# KiCad board PCB, COMM PANEL.kicad_pcb
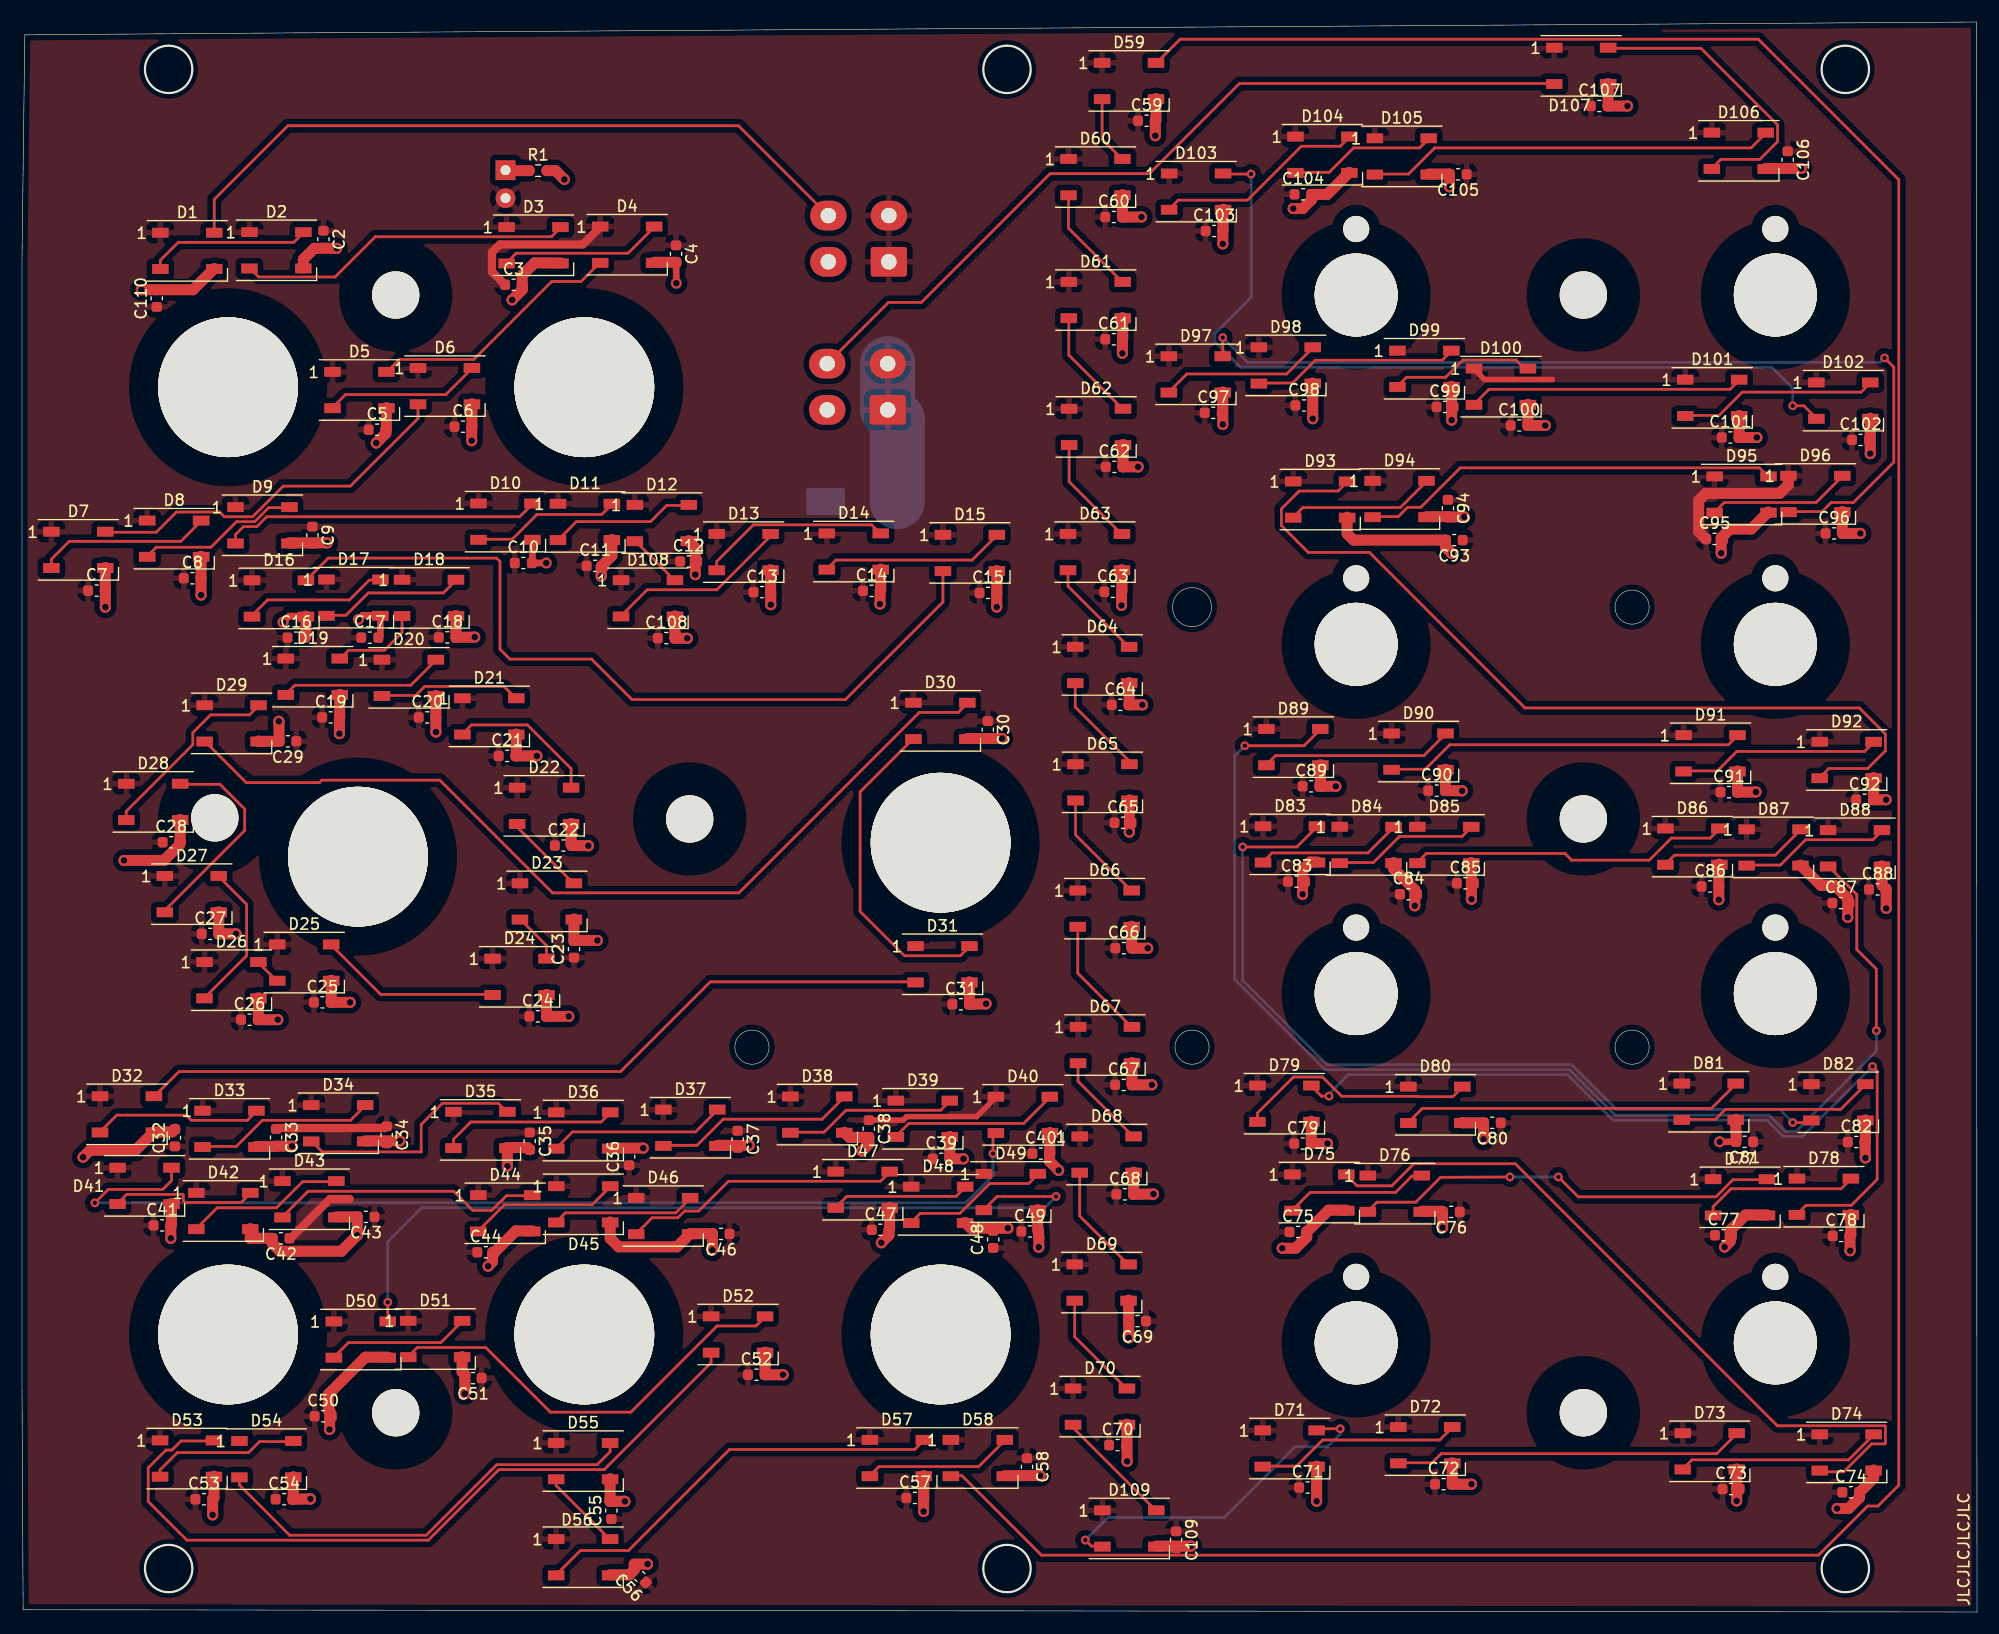
[diagram p0: board, top side]
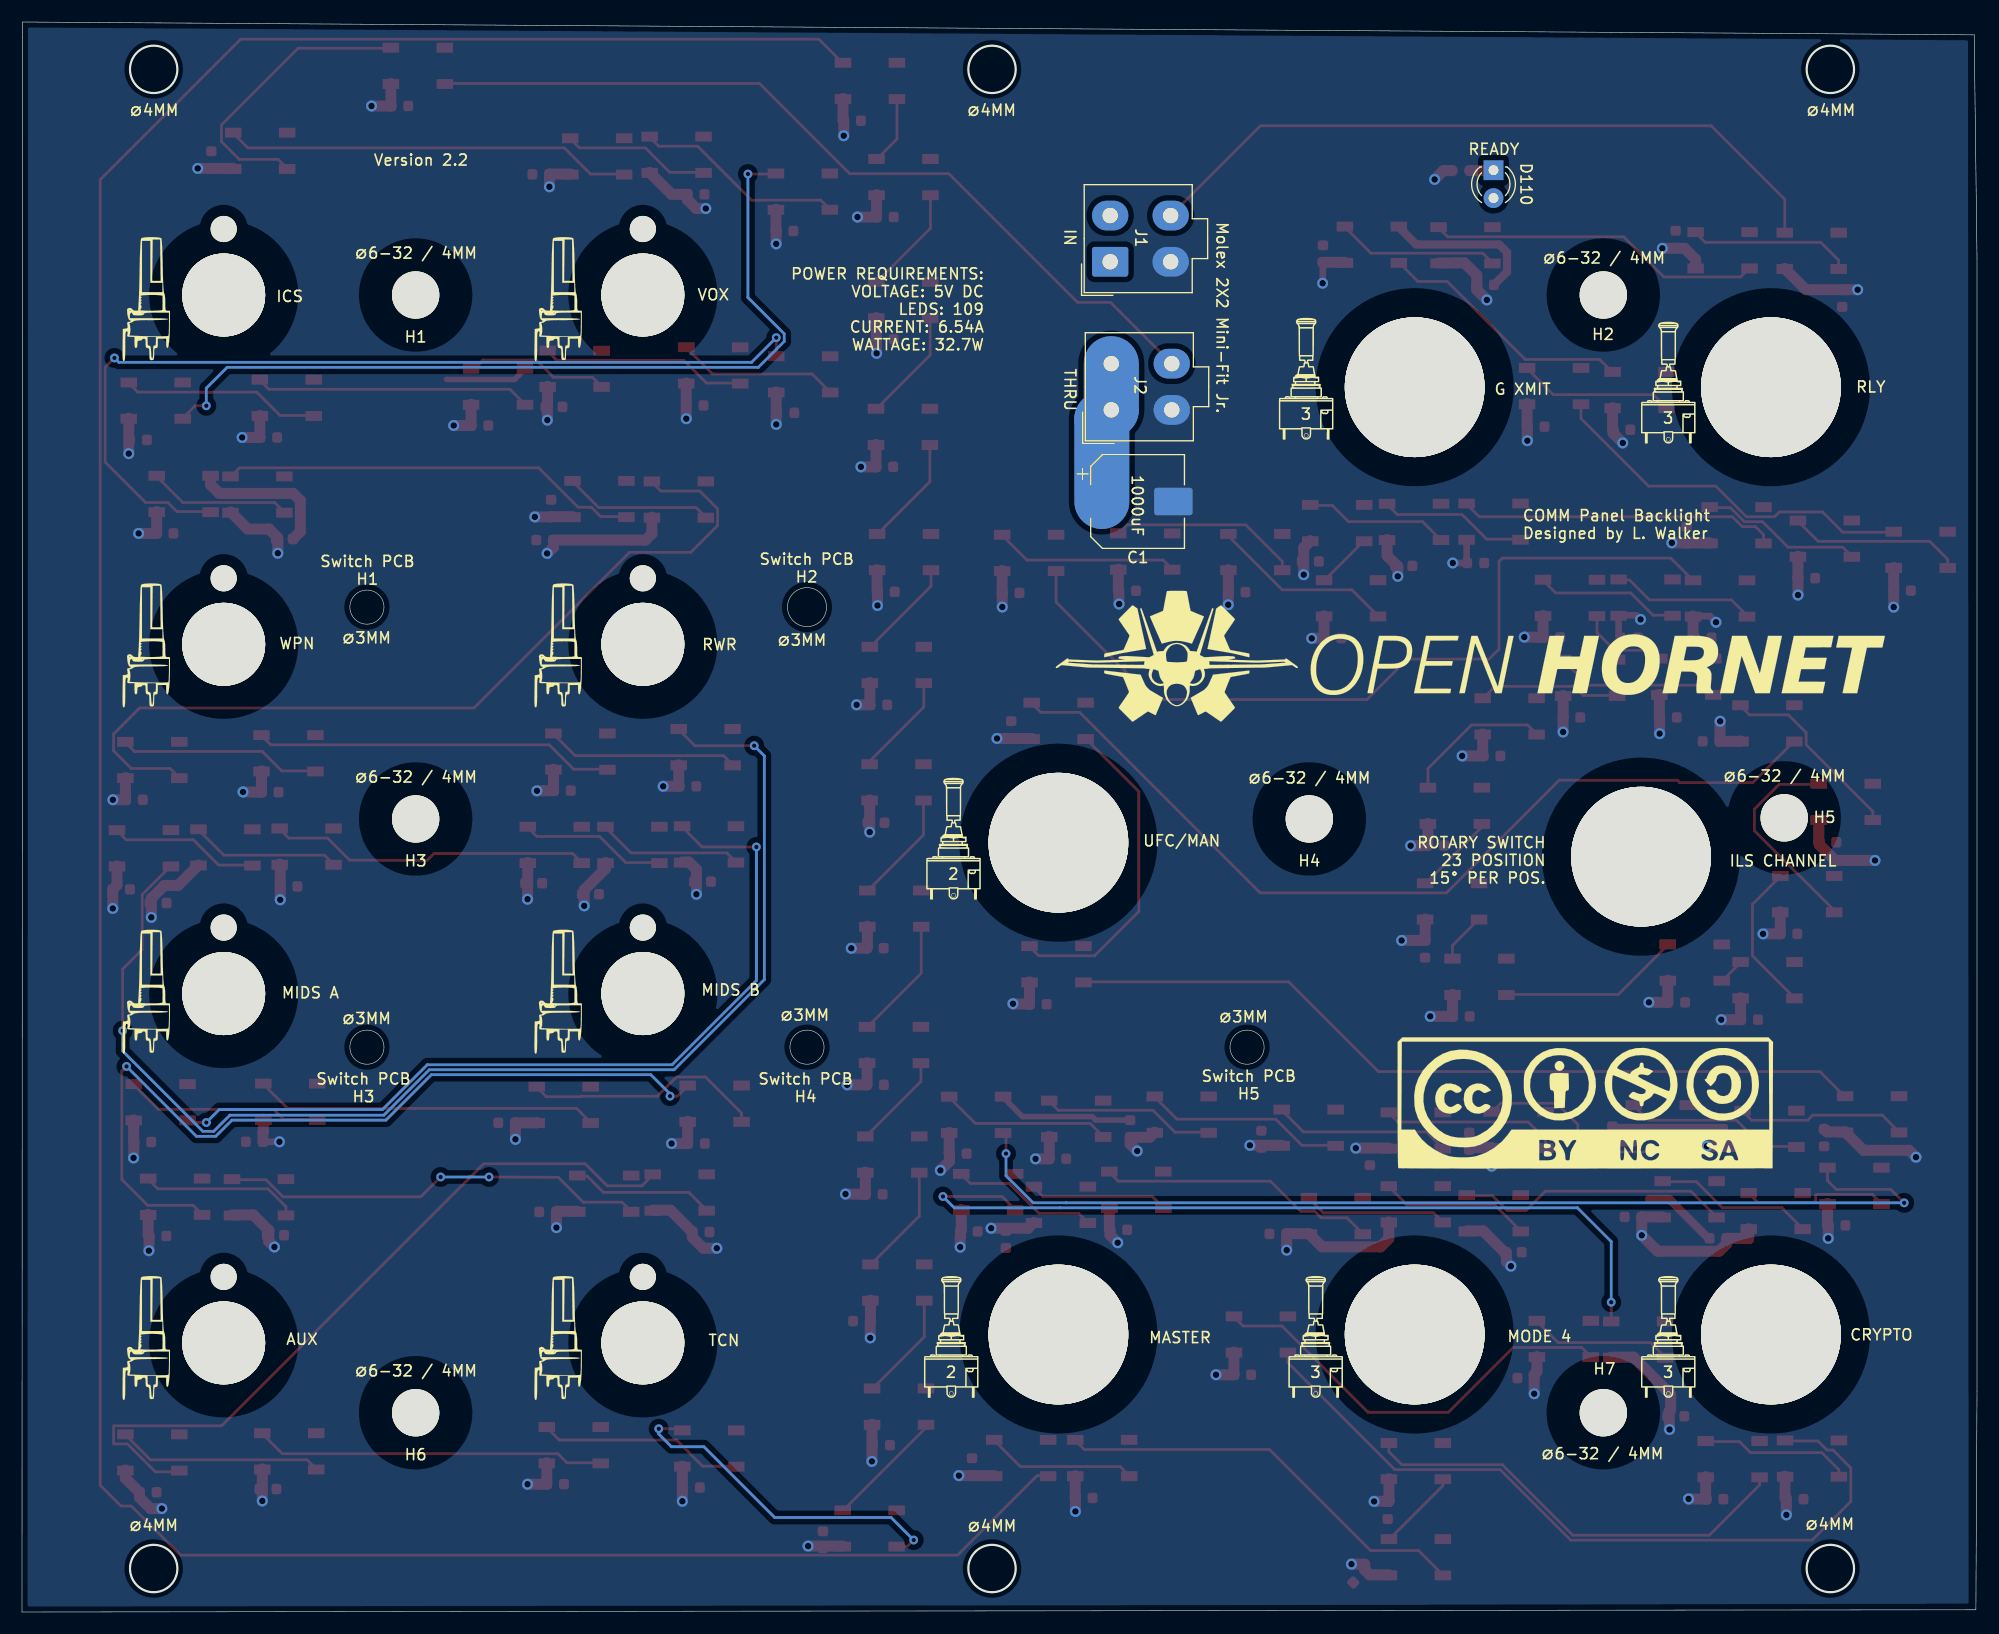
[diagram p1: board, bottom side, seen from below]

Outline 177.7 x 144.53 mm; copper layers: Top, Bottom. Coordinates in mm from the lower left corner of the outline.
Outline path: circle c13.33,140.22 r2.15 ; circle c13.33,3.95 r2.15 ; circle c66.35,51.34 r1.55 ; circle c89.53,140.22 r2.15 ; circle c89.53,3.95 r2.15 ; circle c106.35,91.34 r1.77 ; circle c106.35,51.34 r1.55 ; circle c146.35,91.34 r1.55 ; circle c146.35,51.34 r1.55 ; circle c165.73,140.22 r2.15 ; circle c165.73,3.95 r2.15 ; 0,123.04 0,20.07 0.1,0.2 177.7,0 177.65,143.15 177.65,144.53 20.93,143.51 0.25,143.36 0,123.04

## Placement (name value [footprint] x y rotation side)
1  -  [SxAL_Toggle_13x13mm]  18.73 111.33 0 top
2  -  [SxAL_Toggle_13x13mm]  51.11 111.33 0 top
4  -  [SxAL_Toggle_13x13mm]  83.5 69.93 0 top
5  -  [SxAL_Toggle_13x13mm]  18.73 25.22 0 top
6  -  [SxAL_Toggle_13x13mm]  51.11 25.22 0 top
7  -  [SxAL_Toggle_13x13mm]  83.5 25.22 0 top
8  -  [BR10K_Pot_11mm_x_11mm]  121.27 119.71 180 top
9  -  [BR10K_Pot_11mm_x_11mm]  159.37 119.71 180 top
10  -  [BR10K_Pot_11mm_x_11mm]  121.27 87.96 180 top
11  -  [BR10K_Pot_11mm_x_11mm]  159.37 87.96 180 top
12  -  [BR10K_Pot_11mm_x_11mm]  121.27 56.21 180 top
13  -  [BR10K_Pot_11mm_x_11mm]  159.37 56.21 180 top
14  -  [BR10K_Pot_11mm_x_11mm]  121.27 24.46 180 top
16  -  [BR10K_Pot_11mm_x_11mm]  159.37 24.46 180 top
17  OH_Panel_Fastner_Keepout  [OH_Panel_6-32_PHS]  33.97 119.71 0 bottom
19  OH_Panel_Fastner_Keepout  [OH_Panel_6-32_PHS]  17.53 72.19 0 top
20  OH_Panel_Fastner_Keepout  [OH_Panel_6-32_PHS]  60.69 72.09 0 top
21  OH_Panel_Fastner_Keepout  [OH_Panel_6-32_PHS]  33.97 18.11 0 top
22  OH_Panel_Fastner_Keepout  [OH_Panel_6-32_PHS]  141.92 18.11 0 top
23  OH_Panel_Fastner_Keepout  [OH_Panel_6-32_PHS]  141.92 72.09 0 top
24  OH_Panel_Fastner_Keepout  [OH_Panel_6-32_PHS]  141.92 119.71 0 top
C1  C_Polarized  [CP_Elec_8x10]  76.3 100.94 180 bottom
C2  C  [C_0603_1608Metric]  27.4 124.78 270 top
C3  C  [C_0603_1608Metric]  44.69 120.64 0 top
C4  C  [C_0603_1608Metric]  59.45 123.45 270 top
C5  C  [C_0603_1608Metric]  32.29 107.47 0 top
C6  C  [C_0603_1608Metric]  40.09 107.74 0 top
C7  C  [C_0603_1608Metric]  6.79 92.84 0 top
C8  C  [C_0603_1608Metric]  15.49 93.97 0 top
C9  C  [C_0603_1608Metric]  26.4 97.88 270 top
C10  C  [C_0603_1608Metric]  45.57 95.35 0 top
C11  C  [C_0603_1608Metric]  52.1 95.09 0 top
C12  C  [C_0603_1608Metric]  60.6 95.49 0 top
C13  C  [C_0603_1608Metric]  67.27 92.7 0 top
C14  C  [C_0603_1608Metric]  77.22 92.82 0 top
C15  C  [C_0603_1608Metric]  87.81 92.63 0 top
C16  C  [C_0603_1608Metric]  24.91 88.57 0 top
C17  C  [C_0603_1608Metric]  31.61 88.57 0 top
C18  C  [C_0603_1608Metric]  38.66 88.59 0 top
C19  C  [C_0603_1608Metric]  28.06 81.32 0 top
C20  C  [C_0603_1608Metric]  36.84 81.32 0 top
C21  C  [C_0603_1608Metric]  44.1 77.82 0 top
C22  C  [C_0603_1608Metric]  49.21 69.67 0 top
C23  C  [C_0603_1608Metric]  50.17 60.25 90 top
C24  C  [C_0603_1608Metric]  46.89 54.14 0 top
C25  C  [C_0603_1608Metric]  27.31 55.42 0 top
C26  C  [C_0603_1608Metric]  20.69 53.84 0 top
C27  C  [C_0603_1608Metric]  17.11 61.64 0 top
C28  C  [C_0603_1608Metric]  13.56 69.97 0 top
C29  C  [C_0603_1608Metric]  24.16 79.14 180 top
C30  C  [C_0603_1608Metric]  87.79 80.2 270 top
C31  C  [C_0603_1608Metric]  85.34 55.24 0 top
C32  C  [C_0603_1608Metric]  13.9 43.1 90 top
C33  C  [C_0603_1608Metric]  23.1 43.13 270 top
C34  C  [C_0603_1608Metric]  33.15 43.37 270 top
C35  C  [C_0603_1608Metric]  46.15 42.8 270 top
C36  C  [C_0603_1608Metric]  55.18 41.39 90 top
C37  C  [C_0603_1608Metric]  65.05 42.97 270 top
C38  C  [C_0603_1608Metric]  76.97 43.93 270 top
C39  C  [C_0603_1608Metric]  83.56 41.19 0 top
C40  C  [C_0603_1608Metric]  92.61 41.67 0 top
C41  C  [C_0603_1608Metric]  12.74 35.14 0 top
C42  C  [C_0603_1608Metric]  23.54 33.97 180 top
C43  C  [C_0603_1608Metric]  31.26 35.92 180 top
C44  C  [C_0603_1608Metric]  42.16 32.7 0 top
C46  C  [C_0603_1608Metric]  63.54 34.37 180 top
C47  C  [C_0603_1608Metric]  78.02 34.74 0 top
C48  C  [C_0603_1608Metric]  88.28 33.87 90 top
C49  C  [C_0603_1608Metric]  91.61 34.59 0 top
C50  C  [C_0603_1608Metric]  27.38 17.79 0 top
C51  C  [C_0603_1608Metric]  41 21.26 180 top
C52  C  [C_0603_1608Metric]  66.76 21.57 0 top
C53  C  [C_0603_1608Metric]  16.54 10.25 0 top
C54  C  [C_0603_1608Metric]  23.83 10.25 0 top
C55  C  [C_0603_1608Metric]  53.57 9.22 90 top
C56  C  [C_0603_1608Metric]  56.15 3.23 135 top
C57  C  [C_0603_1608Metric]  81.16 10.37 0 top
C58  C  [C_0603_1608Metric]  91.35 13.2 270 top
C59  C  [C_0603_1608Metric]  102.22 135.55 0 top
C60  C  [C_0603_1608Metric]  99.24 126.8 0 top
C61  C  [C_0603_1608Metric]  99.24 115.69 0 top
C62  C  [C_0603_1608Metric]  99.29 104.09 0 top
C63  C  [C_0603_1608Metric]  99.15 92.73 0 top
C64  C  [C_0603_1608Metric]  99.83 82.46 0 top
C65  C  [C_0603_1608Metric]  100.08 71.74 0 top
C66  C  [C_0603_1608Metric]  100.15 60.34 0 top
C67  C  [C_0603_1608Metric]  100.14 47.92 0 top
C68  C  [C_0603_1608Metric]  100.25 37.97 0 top
C69  C  [C_0603_1608Metric]  101.39 26.44 180 top
C70  C  [C_0603_1608Metric]  99.59 15.17 0 top
C71  C  [C_0603_1608Metric]  116.86 11.32 0 top
C72  C  [C_0603_1608Metric]  129.21 11.62 0 top
C73  C  [C_0603_1608Metric]  155.35 11.18 0 top
C74  C  [C_0603_1608Metric]  166.24 10.88 0 top
C75  C  [C_0603_1608Metric]  115.99 34.54 0 top
C76  C  [C_0603_1608Metric]  129.91 36.37 180 top
C77  C  [C_0603_1608Metric]  154.66 34.25 0 top
C78  C  [C_0603_1608Metric]  165.36 34.18 0 top
C79  C  [C_0603_1608Metric]  116.41 42.58 0 top
C80  C  [C_0603_1608Metric]  133.64 44.47 180 top
C81  C  [C_0603_1608Metric]  156.57 42.74 180 top
C82  C  [C_0603_1608Metric]  166.73 42.72 0 top
C83  C  [C_0603_1608Metric]  115.85 66.39 0 top
C84  C  [C_0603_1608Metric]  126.03 65.24 0 top
C85  C  [C_0603_1608Metric]  131.2 66.24 0 top
C86  C  [C_0603_1608Metric]  153.44 65.95 0 top
C87  C  [C_0603_1608Metric]  165.33 64.44 0 top
C88  C  [C_0603_1608Metric]  168.66 65.68 0 top
C89  C  [C_0603_1608Metric]  117.18 75.05 0 top
C90  C  [C_0603_1608Metric]  128.59 74.66 0 top
C91  C  [C_0603_1608Metric]  155.16 74.52 0 top
C92  C  [C_0603_1608Metric]  167.49 73.83 0 top
C93  C  [C_0603_1608Metric]  130.18 97.43 180 top
C94  C  [C_0603_1608Metric]  129.61 100.32 270 top
C95  C  [C_0603_1608Metric]  153.85 97.54 0 top
C96  C  [C_0603_1608Metric]  164.71 98.04 0 top
C97  C  [C_0603_1608Metric]  108.28 109 0 top
C98  C  [C_0603_1608Metric]  116.53 109.67 0 top
C99  C  [C_0603_1608Metric]  129.35 109.54 0 top
C100  C  [C_0603_1608Metric]  136.09 107.85 0 top
C101  C  [C_0603_1608Metric]  155.28 106.76 0 top
C102  C  [C_0603_1608Metric]  167.12 106.54 0 top
C103  C  [C_0603_1608Metric]  108.36 125.53 0 top
C104  C  [C_0603_1608Metric]  116.44 128.86 0 top
C105  C  [C_0603_1608Metric]  130.54 130.68 180 top
C106  C  [C_0603_1608Metric]  160.49 132 270 top
C107  C  [C_0603_1608Metric]  143.37 136.89 0 top
C108  C  [C_0603_1608Metric]  58.57 88.52 0 top
C109  C  [C_0603_1608Metric]  104.9 6.56 270 top
C110  C  [C_0603_1608Metric]  12.25 119.4 90 top
D1  WS2812B  [LED_WS2812B_PLCC4_5.0x5.0mm_P3.2mm]  15.03 123.72 0 top
D2  WS2812B  [LED_WS2812B_PLCC4_5.0x5.0mm_P3.2mm]  23.13 123.77 0 top
D3  WS2812B  [LED_WS2812B_PLCC4_5.0x5.0mm_P3.2mm]  46.49 124.23 0 top
D4  WS2812B  [LED_WS2812B_PLCC4_5.0x5.0mm_P3.2mm]  55 124.28 0 top
D5  WS2812B  [LED_WS2812B_PLCC4_5.0x5.0mm_P3.2mm]  30.67 111.07 0 top
D6  WS2812B  [LED_WS2812B_PLCC4_5.0x5.0mm_P3.2mm]  38.44 111.43 0 top
D7  WS2812B  [LED_WS2812B_PLCC4_5.0x5.0mm_P3.2mm]  5.12 96.55 0 top
D8  WS2812B  [LED_WS2812B_PLCC4_5.0x5.0mm_P3.2mm]  13.83 97.56 0 top
D9  WS2812B  [LED_WS2812B_PLCC4_5.0x5.0mm_P3.2mm]  21.86 98.78 0 top
D10  WS2812B  [LED_WS2812B_PLCC4_5.0x5.0mm_P3.2mm]  43.94 99.11 0 top
D11  WS2812B  [LED_WS2812B_PLCC4_5.0x5.0mm_P3.2mm]  51.17 99.09 0 top
D12  WS2812B  [LED_WS2812B_PLCC4_5.0x5.0mm_P3.2mm]  58.15 98.98 0 top
D13  WS2812B  [LED_WS2812B_PLCC4_5.0x5.0mm_P3.2mm]  65.59 96.34 0 top
D14  WS2812B  [LED_WS2812B_PLCC4_5.0x5.0mm_P3.2mm]  75.6 96.39 0 top
D15  WS2812B  [LED_WS2812B_PLCC4_5.0x5.0mm_P3.2mm]  86.16 96.27 0 top
D16  WS2812B  [LED_WS2812B_PLCC4_5.0x5.0mm_P3.2mm]  23.36 92.13 0 top
D17  WS2812B  [LED_WS2812B_PLCC4_5.0x5.0mm_P3.2mm]  30.12 92.2 0 top
D18  WS2812B  [LED_WS2812B_PLCC4_5.0x5.0mm_P3.2mm]  36.99 92.18 0 top
D19  WS2812B  [LED_WS2812B_PLCC4_5.0x5.0mm_P3.2mm]  26.43 85.01 0 top
D20  WS2812B  [LED_WS2812B_PLCC4_5.0x5.0mm_P3.2mm]  35.17 84.91 0 top
D21  WS2812B  [LED_WS2812B_PLCC4_5.0x5.0mm_P3.2mm]  42.48 81.41 0 top
D22  WS2812B  [LED_WS2812B_PLCC4_5.0x5.0mm_P3.2mm]  47.46 73.28 0 top
D23  WS2812B  [LED_WS2812B_PLCC4_5.0x5.0mm_P3.2mm]  47.71 64.59 0 top
D24  WS2812B  [LED_WS2812B_PLCC4_5.0x5.0mm_P3.2mm]  45.22 57.73 0 top
D25  WS2812B  [LED_WS2812B_PLCC4_5.0x5.0mm_P3.2mm]  25.65 59.03 0 top
D26  WS2812B  [LED_WS2812B_PLCC4_5.0x5.0mm_P3.2mm]  19.04 57.43 0 top
D27  WS2812B  [LED_WS2812B_PLCC4_5.0x5.0mm_P3.2mm]  15.43 65.25 0 top
D28  WS2812B  [LED_WS2812B_PLCC4_5.0x5.0mm_P3.2mm]  11.93 73.63 0 top
D29  WS2812B  [LED_WS2812B_PLCC4_5.0x5.0mm_P3.2mm]  19.05 80.77 0 top
D30  WS2812B  [LED_WS2812B_PLCC4_5.0x5.0mm_P3.2mm]  83.48 81 0 top
D31  WS2812B  [LED_WS2812B_PLCC4_5.0x5.0mm_P3.2mm]  83.67 58.88 0 top
D32  WS2812B  [LED_WS2812B_PLCC4_5.0x5.0mm_P3.2mm]  9.54 45.24 0 top
D33  WS2812B  [LED_WS2812B_PLCC4_5.0x5.0mm_P3.2mm]  18.86 43.92 0 top
D34  WS2812B  [LED_WS2812B_PLCC4_5.0x5.0mm_P3.2mm]  28.74 44.42 0 top
D35  WS2812B  [LED_WS2812B_PLCC4_5.0x5.0mm_P3.2mm]  41.67 43.81 0 top
D36  WS2812B  [LED_WS2812B_PLCC4_5.0x5.0mm_P3.2mm]  51.01 43.76 0 top
D37  WS2812B  [LED_WS2812B_PLCC4_5.0x5.0mm_P3.2mm]  60.75 44.02 0 top
D38  WS2812B  [LED_WS2812B_PLCC4_5.0x5.0mm_P3.2mm]  72.29 45.21 0 top
D39  WS2812B  [LED_WS2812B_PLCC4_5.0x5.0mm_P3.2mm]  81.88 44.83 0 top
D40  WS2812B  [LED_WS2812B_PLCC4_5.0x5.0mm_P3.2mm]  90.97 45.19 0 top
D41  WS2812B  [LED_WS2812B_PLCC4_5.0x5.0mm_P3.2mm]  11.14 38.73 0 top
D42  WS2812B  [LED_WS2812B_PLCC4_5.0x5.0mm_P3.2mm]  18.3 36.45 0 top
D43  WS2812B  [LED_WS2812B_PLCC4_5.0x5.0mm_P3.2mm]  26.12 37.52 0 top
D44  WS2812B  [LED_WS2812B_PLCC4_5.0x5.0mm_P3.2mm]  43.92 36.24 0 top
D45  WS2812B  [LED_WS2812B_PLCC4_5.0x5.0mm_P3.2mm]  51.01 37.06 0 top
D46  WS2812B  [LED_WS2812B_PLCC4_5.0x5.0mm_P3.2mm]  58.28 35.99 0 top
D47  WS2812B  [LED_WS2812B_PLCC4_5.0x5.0mm_P3.2mm]  76.41 38.38 0 top
D48  WS2812B  [LED_WS2812B_PLCC4_5.0x5.0mm_P3.2mm]  83.27 37.01 0 top
D49  WS2812B  [LED_WS2812B_PLCC4_5.0x5.0mm_P3.2mm]  89.88 38.18 0 top
D50  WS2812B  [LED_WS2812B_PLCC4_5.0x5.0mm_P3.2mm]  30.8 24.76 0 top
D51  WS2812B  [LED_WS2812B_PLCC4_5.0x5.0mm_P3.2mm]  37.55 24.82 0 top
D52  WS2812B  [LED_WS2812B_PLCC4_5.0x5.0mm_P3.2mm]  65.09 25.22 0 top
D53  WS2812B  [LED_WS2812B_PLCC4_5.0x5.0mm_P3.2mm]  15 13.94 0 top
D54  WS2812B  [LED_WS2812B_PLCC4_5.0x5.0mm_P3.2mm]  22.21 13.89 0 top
D55  WS2812B  [LED_WS2812B_PLCC4_5.0x5.0mm_P3.2mm]  51 13.72 0 top
D56  WS2812B  [LED_WS2812B_PLCC4_5.0x5.0mm_P3.2mm]  51 4.98 0 top
D57  WS2812B  [LED_WS2812B_PLCC4_5.0x5.0mm_P3.2mm]  79.51 14 0 top
D58  WS2812B  [LED_WS2812B_PLCC4_5.0x5.0mm_P3.2mm]  86.88 14 0 top
D59  WS2812B  [LED_WS2812B_PLCC4_5.0x5.0mm_P3.2mm]  100.62 139.17 0 top
D60  WS2812B  [LED_WS2812B_PLCC4_5.0x5.0mm_P3.2mm]  97.58 130.43 0 top
D61  WS2812B  [LED_WS2812B_PLCC4_5.0x5.0mm_P3.2mm]  97.6 119.25 0 top
D62  WS2812B  [LED_WS2812B_PLCC4_5.0x5.0mm_P3.2mm]  97.63 107.72 0 top
D63  WS2812B  [LED_WS2812B_PLCC4_5.0x5.0mm_P3.2mm]  97.52 96.34 0 top
D64  WS2812B  [LED_WS2812B_PLCC4_5.0x5.0mm_P3.2mm]  98.18 86.08 0 top
D65  WS2812B  [LED_WS2812B_PLCC4_5.0x5.0mm_P3.2mm]  98.21 75.41 0 top
D66  WS2812B  [LED_WS2812B_PLCC4_5.0x5.0mm_P3.2mm]  98.41 63.93 0 top
D67  WS2812B  [LED_WS2812B_PLCC4_5.0x5.0mm_P3.2mm]  98.44 51.54 0 top
D68  WS2812B  [LED_WS2812B_PLCC4_5.0x5.0mm_P3.2mm]  98.59 41.58 0 top
D69  WS2812B  [LED_WS2812B_PLCC4_5.0x5.0mm_P3.2mm]  98.13 29.95 0 top
D70  WS2812B  [LED_WS2812B_PLCC4_5.0x5.0mm_P3.2mm]  97.98 18.67 0 top
D71  WS2812B  [LED_WS2812B_PLCC4_5.0x5.0mm_P3.2mm]  115.23 14.86 0 top
D72  WS2812B  [LED_WS2812B_PLCC4_5.0x5.0mm_P3.2mm]  127.55 15.16 0 top
D73  WS2812B  [LED_WS2812B_PLCC4_5.0x5.0mm_P3.2mm]  153.4 14.6 0 top
D74  WS2812B  [LED_WS2812B_PLCC4_5.0x5.0mm_P3.2mm]  165.85 14.5 0 top
D75  WS2812B  [LED_WS2812B_PLCC4_5.0x5.0mm_P3.2mm]  117.92 38.12 0 top
D76  WS2812B  [LED_WS2812B_PLCC4_5.0x5.0mm_P3.2mm]  124.78 38.02 0 top
D77  WS2812B  [LED_WS2812B_PLCC4_5.0x5.0mm_P3.2mm]  156.16 37.69 0 top
D78  WS2812B  [LED_WS2812B_PLCC4_5.0x5.0mm_P3.2mm]  163.78 37.74 0 top
D79  WS2812B  [LED_WS2812B_PLCC4_5.0x5.0mm_P3.2mm]  114.75 46.2 0 top
D80  WS2812B  [LED_WS2812B_PLCC4_5.0x5.0mm_P3.2mm]  128.46 46.1 0 top
D81  WS2812B  [LED_WS2812B_PLCC4_5.0x5.0mm_P3.2mm]  153.31 46.38 0 top
D82  WS2812B  [LED_WS2812B_PLCC4_5.0x5.0mm_P3.2mm]  165.1 46.33 0 top
D83  WS2812B  [LED_WS2812B_PLCC4_5.0x5.0mm_P3.2mm]  115.25 69.77 0 top
D84  WS2812B  [LED_WS2812B_PLCC4_5.0x5.0mm_P3.2mm]  122.21 69.72 0 top
D85  WS2812B  [LED_WS2812B_PLCC4_5.0x5.0mm_P3.2mm]  129.27 69.72 0 top
D86  WS2812B  [LED_WS2812B_PLCC4_5.0x5.0mm_P3.2mm]  151.83 69.57 0 top
D87  WS2812B  [LED_WS2812B_PLCC4_5.0x5.0mm_P3.2mm]  159.21 69.49 0 top
D88  WS2812B  [LED_WS2812B_PLCC4_5.0x5.0mm_P3.2mm]  166.61 69.42 0 top
D89  WS2812B  [LED_WS2812B_PLCC4_5.0x5.0mm_P3.2mm]  115.56 78.61 0 top
D90  WS2812B  [LED_WS2812B_PLCC4_5.0x5.0mm_P3.2mm]  126.94 78.21 0 top
D91  WS2812B  [LED_WS2812B_PLCC4_5.0x5.0mm_P3.2mm]  153.48 78.05 0 top
D92  WS2812B  [LED_WS2812B_PLCC4_5.0x5.0mm_P3.2mm]  165.85 77.44 0 top
D93  WS2812B  [LED_WS2812B_PLCC4_5.0x5.0mm_P3.2mm]  118 101.12 0 top
D94  WS2812B  [LED_WS2812B_PLCC4_5.0x5.0mm_P3.2mm]  125.21 101.17 0 top
D95  WS2812B  [LED_WS2812B_PLCC4_5.0x5.0mm_P3.2mm]  156.3 101.57 0 top
D96  WS2812B  [LED_WS2812B_PLCC4_5.0x5.0mm_P3.2mm]  163.01 101.63 0 top
D97  WS2812B  [LED_WS2812B_PLCC4_5.0x5.0mm_P3.2mm]  106.69 112.5 0 top
D98  WS2812B  [LED_WS2812B_PLCC4_5.0x5.0mm_P3.2mm]  114.87 113.31 0 top
D99  WS2812B  [LED_WS2812B_PLCC4_5.0x5.0mm_P3.2mm]  127.47 113 0 top
D100  WS2812B  [LED_WS2812B_PLCC4_5.0x5.0mm_P3.2mm]  134.43 111.38 0 top
D101  WS2812B  [LED_WS2812B_PLCC4_5.0x5.0mm_P3.2mm]  153.63 110.36 0 top
D102  WS2812B  [LED_WS2812B_PLCC4_5.0x5.0mm_P3.2mm]  165.55 110.11 0 top
D103  WS2812B  [LED_WS2812B_PLCC4_5.0x5.0mm_P3.2mm]  106.72 129.11 0 top
D104  WS2812B  [LED_WS2812B_PLCC4_5.0x5.0mm_P3.2mm]  118.2 132.46 0 top
D105  WS2812B  [LED_WS2812B_PLCC4_5.0x5.0mm_P3.2mm]  125.41 132.31 0 top
D106  WS2812B  [LED_WS2812B_PLCC4_5.0x5.0mm_P3.2mm]  156.05 132.82 0 top
D107  WS2812B  [LED_WS2812B_PLCC4_5.0x5.0mm_P3.2mm]  141.72 140.54 0 top
D108  WS2812B  [LED_WS2812B_PLCC4_5.0x5.0mm_P3.2mm]  56.9 92.14 0 top
D109  WS2812B  [LED_WS2812B_PLCC4_5.0x5.0mm_P3.2mm]  100.65 7.59 0 top
D110  LED  [LED_D3.0mm]  43.95 131.06 270 bottom
G1  LOGO  [S3ALToggle]  28.19 111.61 180 bottom
G2  LOGO  [S3ALToggle]  61.11 111.96 180 bottom
G3  -  [SxAL_Toggle_13x13mm]  30.54 68.66 0 top
G4  LOGO  [S2ALToggle]  93.17 70.15 180 bottom
G5  LOGO  [S3ALToggle]  28.19 24.87 180 bottom
G6  LOGO  [S3ALToggle]  60.25 24.87 180 bottom
G7  LOGO  [S2ALToggle]  93.37 24.87 180 bottom
G8  LOGO  [BR10KPot]  128.93 119.38 180 bottom
G9  LOGO  [BR10KPot]  166.37 119.38 180 bottom
G10  LOGO  [BR10KPot]  128.93 87.9 180 bottom
G11  LOGO  [BR10KPot]  166.37 87.9 180 bottom
G12  LOGO  [BR10KPot]  128.93 56.42 180 bottom
G13  LOGO  [BR10KPot]  166.37 56.42 180 bottom
G14  LOGO  [BR10KPot]  128.93 24.94 180 bottom
G15  LOGO  [BR10KPot]  166.37 24.94 180 bottom
G***  LOGO  [OH_LOGO_75.4mm_11.9mm]  46.07 86.87 180 bottom
G***#2  LOGO  [CC-NC-SA 34mm]  35.64 46.3 180 bottom
J1  Conn_01x04_Female  [Molex_Mini-Fit_Jr_5566-04A_2x02_P4.20mm_Vertical]  78.79 122.73 90 bottom
J2  Conn_01x04_Female  [Molex_Mini-Fit_Jr_5566-04A_2x02_P4.20mm_Vertical]  78.69 109.27 90 bottom
NOREF  -  []  40.08 67.72 0 top
NOREF#2  -  []  90.19 70.34 0 top
R1  R  [R_0603_1608Metric]  46.91 131.02 0 top